# Altium PCB yard-ice.PcbDoc (part 1 of 3)
Units mm, origin at the board's own origin, x right, y up, seen from the top; angles counter-clockwise.
Board outline 109.14 x 69.34 mm, 2 copper layers (Top Layer, Bottom Layer), stack 1.611 mm thick; 175 components, 162 nets, 702 pads, 445 vias.
Unrouted connection lines stored in the file: 1.
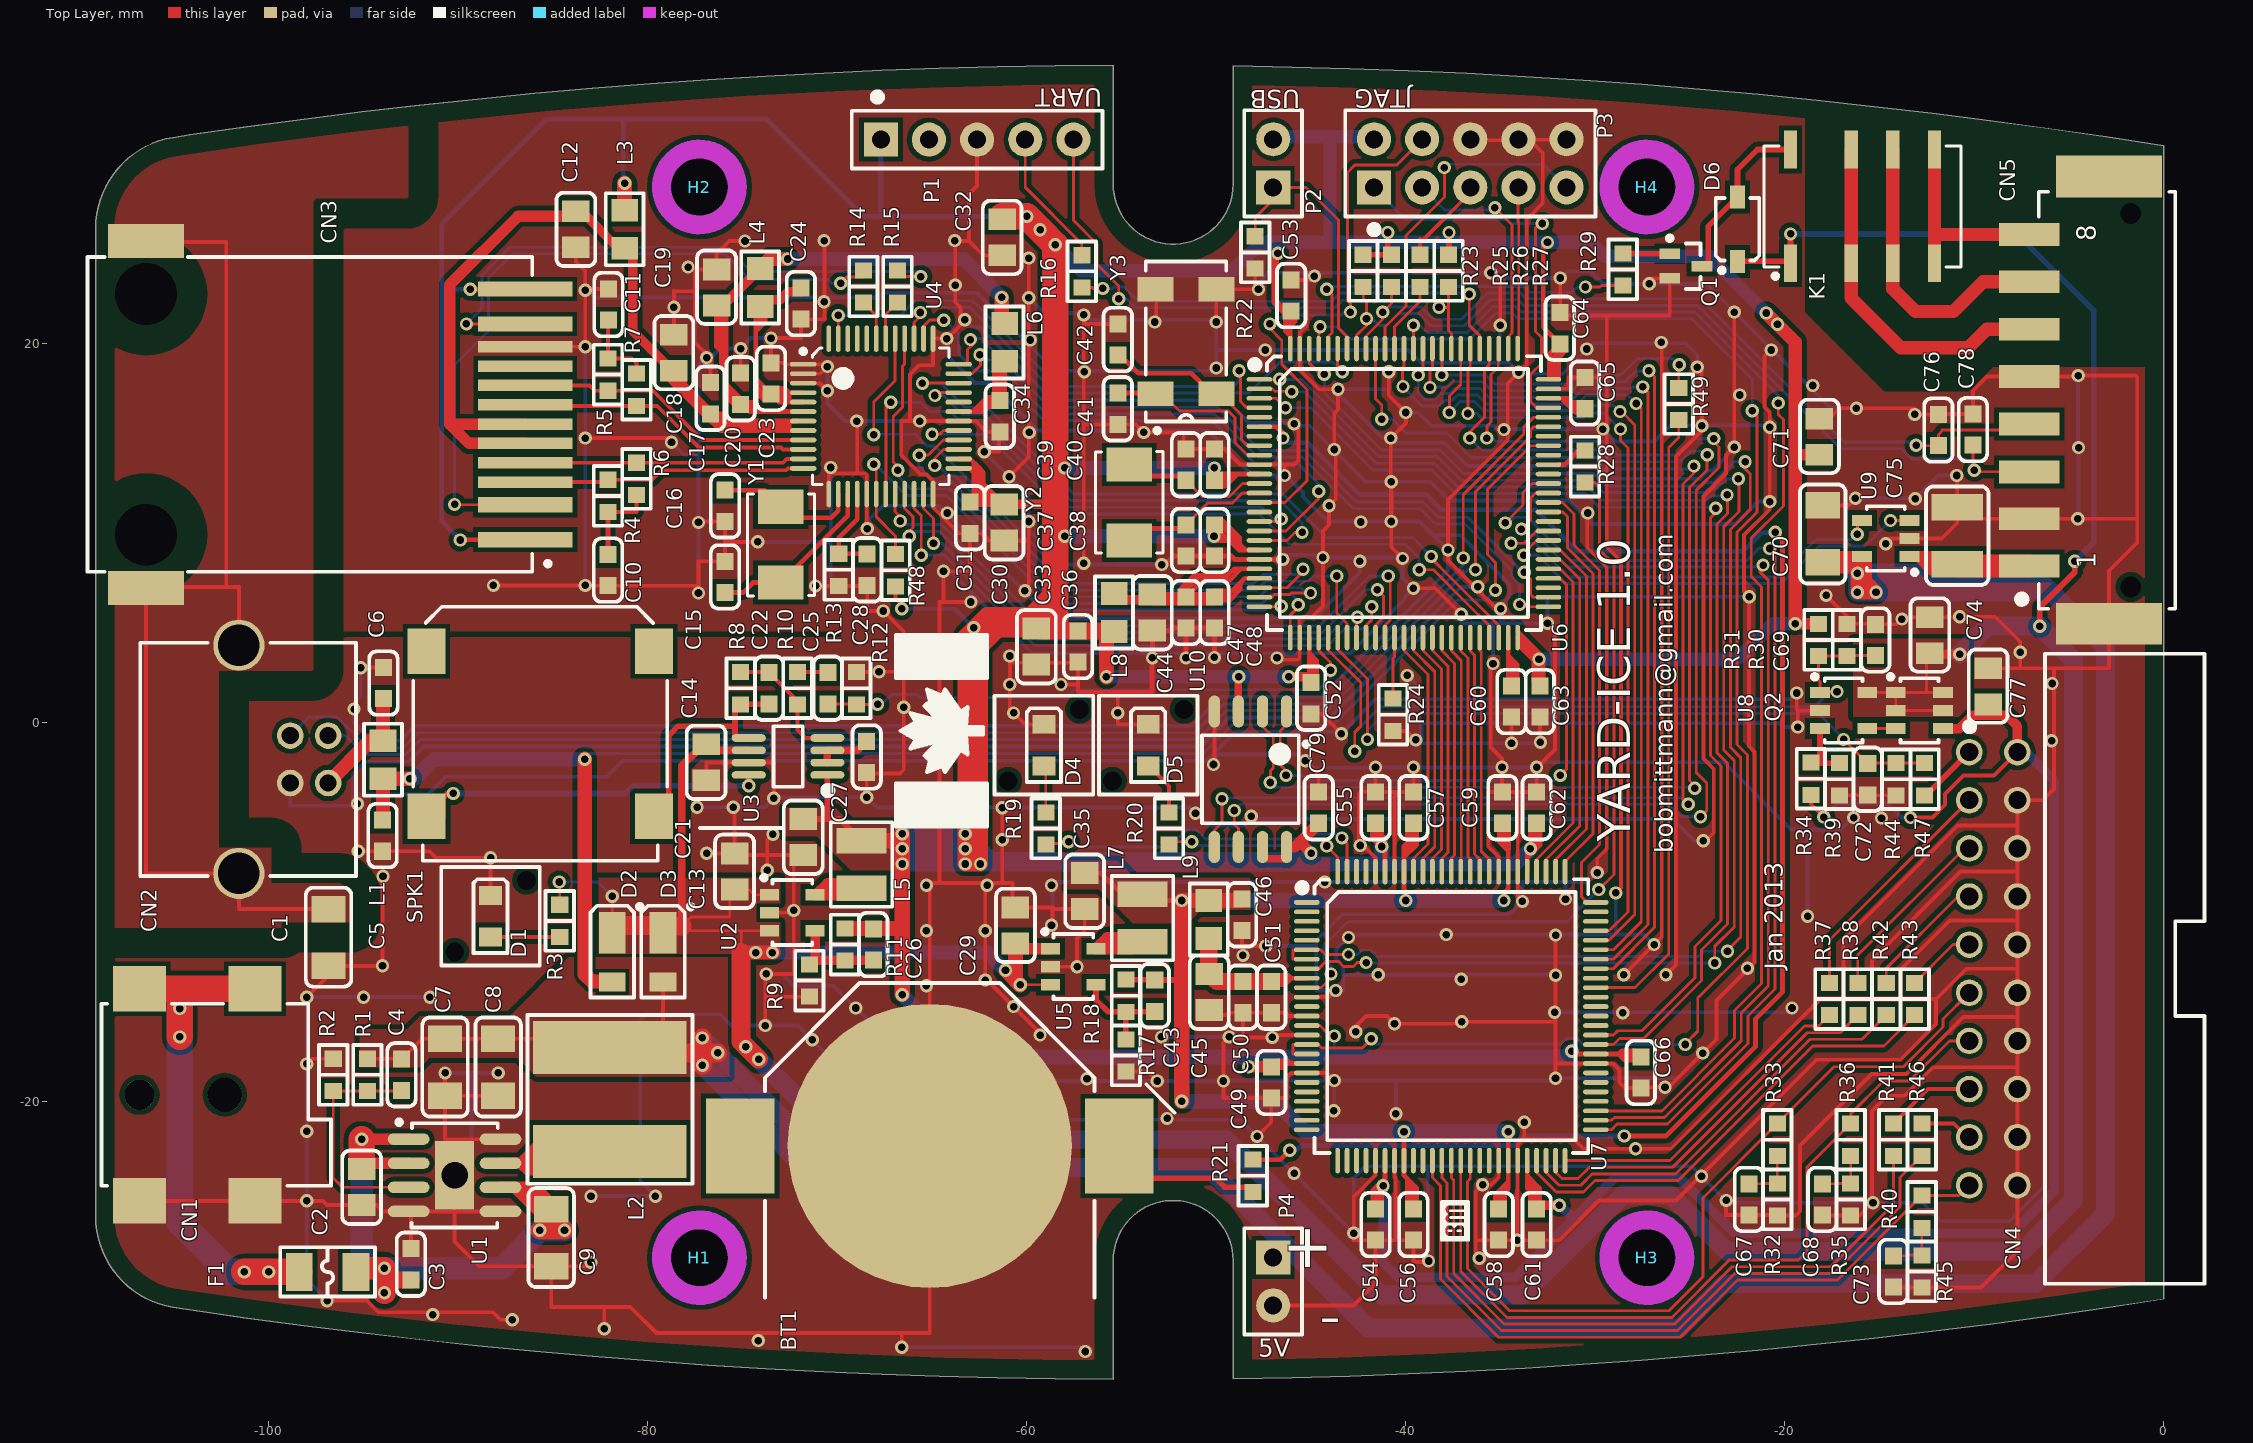
[diagram p0: Top Layer view]
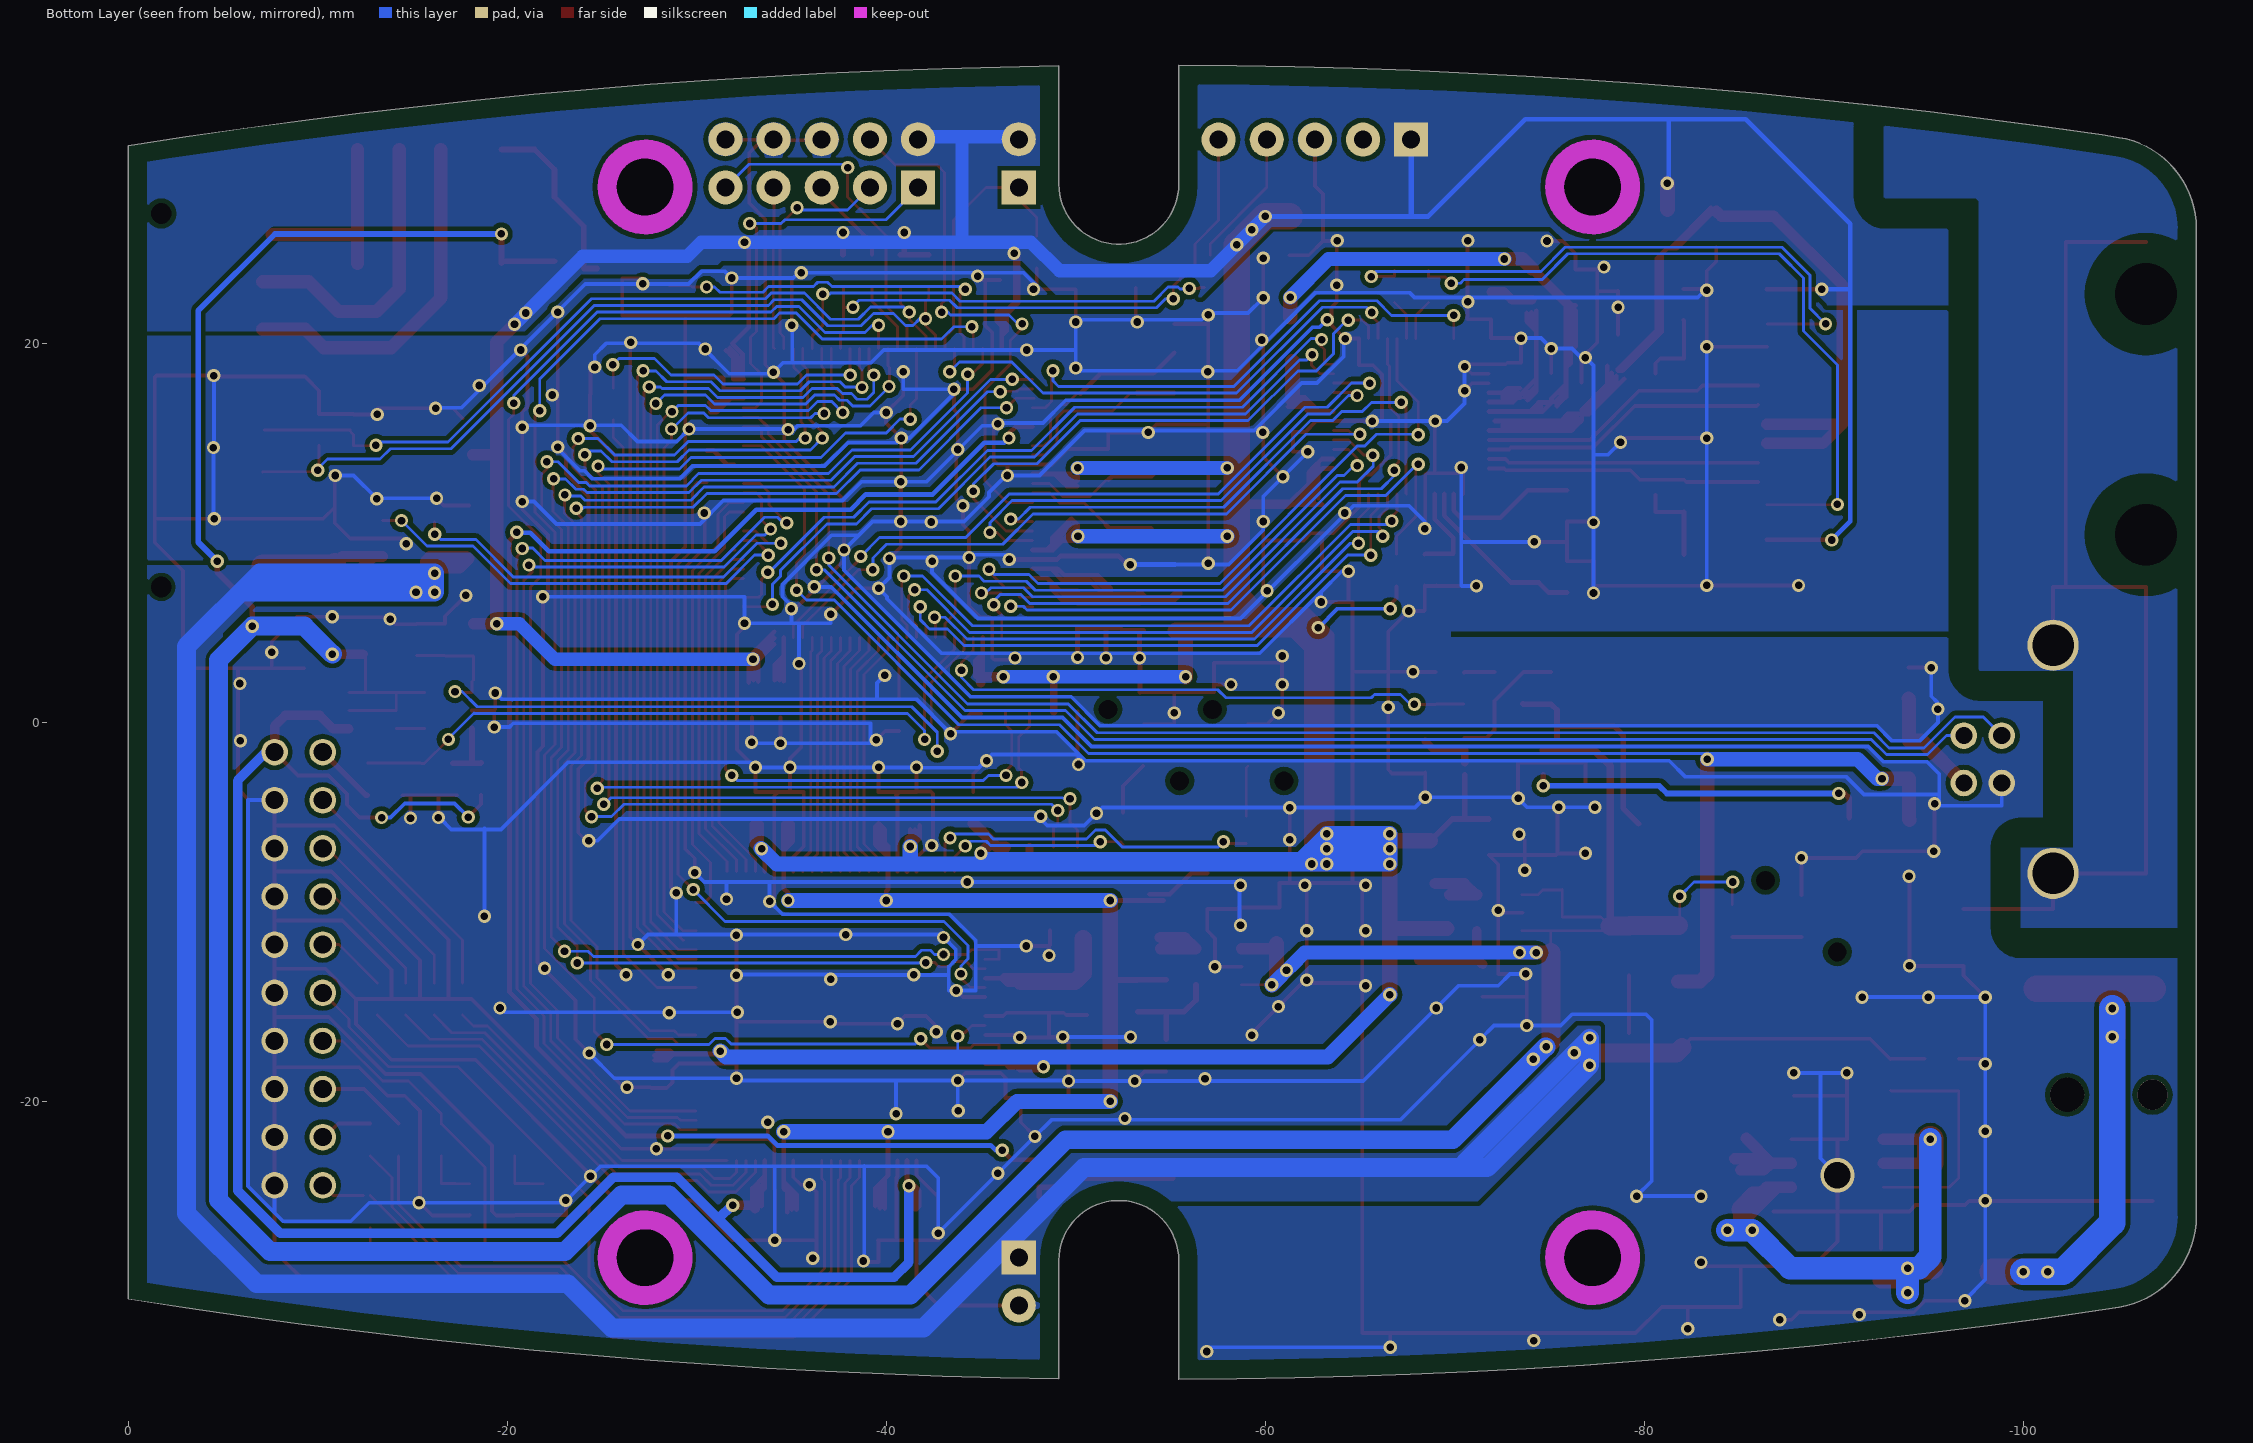
[diagram p1: Bottom Layer view, seen from below]

## Layer stack, top to bottom
Top Layer: signal copper 0.0356
Dielectric: core 1.54, FR-4, Dk 4.8
Bottom Layer: signal copper 0.0356

## Board outline
-105.054,-30.861 -104.179,-31.003 ccw(c-53.972,310.732) -55.44,-34.668 -55.44,-28.392 cw(c-52.278,-28.392) -49.115,-28.392 -49.115,-34.637 ccw(c-53.972,310.732) 0,-30.429 0,30.429 ccw(c-53.972,-310.732) -49.115,34.637 -49.115,28.392 cw(c-52.278,28.392) -55.44,28.392 -55.44,34.668 ccw(c-53.972,-310.732) -104.179,31.003 -105.054,30.861 ccw(c-104.278,26.063) -109.138,26.063 -109.138,-26.063 ccw(c-104.278,-26.063)

## Design rules (kind name [scope] priority, off if disabled: settings)
Clearance Clearance_2 [InNamedPolygon('Top-Layer-GND_EARTH') OR InNamedPolygon('Bottom-Layer-GND_EARTH')] p1: gap=1.6
Clearance Clearance_4 [InNamedPolygon('Top-Layer-GND') OR  InNamedPolygon('Bottom-Layer-GND') OR InNamedPolygon('Bottom-Layer-VCC_3.3')] p2: gap=0.25
Clearance Clearance_1 [InNet('RLY_C') OR InNet('RLY_NC') OR InNet('RLY_NO')] p3: gap=1.2
Clearance [All] p4: gap=0.2
ComponentClearance [All] p1: gap=0 collisioncheckmode=3 verticalgap=0 showdistances=FALSE
HoleSize [All] p1: absolutevalues=TRUE maxlimit=8 minlimit=0.025 maxpercent=80.000 minpercent=20.000
HoleToHoleClearance [All] p1: gap=0.2 allowstackedmicrovias=TRUE
MinimumSolderMaskSliver [All] p1: minsoldermaskwidth=0.1
PlaneConnect PlaneConnect_Via [IsVia] p1: planeconnectstyle=Direct reliefexpansion=0.508 reliefentries=4 reliefconductorwidth=0.254 reliefairgap=0.254
PlaneConnect [All] p2: planeconnectstyle=Relief reliefexpansion=0.508 reliefentries=4 reliefconductorwidth=0.254 reliefairgap=0.254
PolygonConnect PolygonConnect_Via [IsVia] p1: connectstyle=Direct reliefconductorwidth=0.254 reliefentries=4 polygonreliefangle="90 Angle" airgapwidth=0.254
PolygonConnect [All] p2: connectstyle=Direct reliefconductorwidth=0.25 reliefentries=4 polygonreliefangle="90 Angle" airgapwidth=0.254
RoomDefinition yard-ice-toplevel [InComponentClass('yard-ice-toplevel')] p1: confinementstyle=ConfineIn formatcopy=TRUE lockcomponents=FALSE outline -111.913,-30.812 1.262,-30.812 1.262,33.413 -111.913,33.413
RoomDefinition Power [InComponentClass('Power')] p2: confinementstyle=ConfineIn formatcopy=TRUE lockcomponents=FALSE outline -112.388,-33.762 -8.138,-33.762 -8.138,6.663 -112.388,6.663
RoomDefinition FPGA [InComponentClass('FPGA')] p3: confinementstyle=ConfineIn formatcopy=TRUE lockcomponents=FALSE outline -61.813,-30.762 2.262,-30.762 2.262,18.488 -61.813,18.488
RoomDefinition Ethernet [InComponentClass('Ethernet')] p4: confinementstyle=ConfineIn formatcopy=TRUE lockcomponents=FALSE outline -111.813,5.888 -59.888,5.888 -59.888,28.063 -111.813,28.063
RoomDefinition CPU [InComponentClass('CPU')] p5: confinementstyle=ConfineIn formatcopy=TRUE lockcomponents=FALSE outline -77.188,-30.512 -17.038,-30.512 -17.038,32.413 -77.188,32.413
RoutingVias [All] p1: holewidth=0.4 width=0.7 viastyle="Through Hole" minholewidth=0.4 minwidth=0.7 maxholewidth=1.6 maxwidth=2
SilkToSilkClearance [All] p1: silktosilkclearance=0
SilkscreenOverComponentPads [All] p1: minsilkscreentomaskgap=0.2
SolderMaskExpansion [All] p1: expansion=0.102
Width [All] p1: maxlimit=4 minlimit=0.15 preferedwidth=0.2
21 further rules are at their usual default settings.

## Classes and differential pairs
component class yard-ice-toplevel: C5 C6 C14 C22 C25 C27 C70 C75 C76 C78 C79 CN2 CN5 D6 H1 H2 H3 H4 K1 L1 P1 P3 Q1 R8 R10 R12 R16 R23 R25 R26 R27 R29 SPK1 U3 U9 U10
component class Power: C1 C2 C3 C4 C7 C8 C9 C13 C21 C26 C29 C35 C43 C69 C74 C77 CN1 D1 D2 D3 F1 L2 L5 L7 P4 Q2 R1 R2 R3 R9 R11 R17 R18 R30 R31 R34 R39 U1 U2 U5 U8
component class Ethernet: C10 C11 C12 C15 C16 C17 C18 C19 C20 C23 C24 C28 C30 C31 C34 CN3 L3 L4 L6 R4 R5 R6 R7 R13 R14 R15 U4 Y1
component class CPU: BT1 C32 C33 C36 C37 C38 C39 C40 C41 C42 C44 C47 C48 C52 C53 C60 C63 C64 C65 C71 L8 P2 R21 R22 R24 R48 U6 Y2 Y3
component class FPGA: C45 C46 C49 C50 C51 C54 C55 C56 C57 C58 C59 C61 C62 C66 C67 C68 C72 C73 CN4 D4 D5 L9 R19 R20 R28 R32 R33 R35 R36 R37 R38 R40 R41 R42 R43 R44 R45 R46 R47 R49 U7
net class POWER: FB1 FB2 GND LX1 LX2 VCC_1.5 VCC_3.3 VCC_4.7

## Components (designator, comment, footprint, x,y, rotation, side; value= is the part's Value field where it differs from the comment)
BT1 "000273" 3012TR -65.125,-22.35 r180 top locked
C1 "000463" C1206M -96.85,-11.35 r270 top locked
C2 "000506" C0805M -95.1,-24.525 r270 top locked
C3 "000500" C0603M -92.5,-28.6 r90 top locked
C4 "000288" C0603M -93,-18.6 r270 top locked
C5 "000500" C0603M -94,-5.975 r270 top locked
C6 "000500" C0603M -93.95,2.075 r90 top locked
C7 "000503" C1206M -90.7,-18.2 r270 top locked
C8 "000503" C1206M -87.9,-18.2 r270 top locked
C9 "000503" C1206M -85.1,-27.2 r270 top locked
C10 "000500" C0603M -82.1,8.037 r270 top locked
C11 "000500" C0603M -82.075,22.05 r90 top locked
C12 "000510" C0805M -83.8,26.025 r270 top locked
C13 "000510" C0805M -75.425,-7.875 r90 top locked
C14 "000510" C0805M -76.925,-2.1 r270 top locked
C15 "000515" C0603M -75.925,7.675 r270 top locked
C16 "000515" C0603M -75.925,11.425 r90 top locked
C17 "000500" C0603M -76.7,17.1 r90 top locked
C18 "000510" C0805M -78.625,19.5 r90 top locked
C19 "000510" C0805M -76.375,22.95 r90 top locked
C20 "000500" C0603M -75.1,17.6 r90 top locked
C21 "000510" C0805M -71.8,-6.05 r270 top locked
C22 "?" C0603M -73.6,1.8 r270 top locked
C23 "000500" C0603M -73.5,18.15 r90 top locked
C24 "000500" C0603M -71.925,22.1 r270 top locked
C25 "000071" C0603M -70.5,1.8 r90 top locked
C26 "000486" C0603M -68.1,-11.725 r270 top locked
C27 "000071" C0603M -68.45,-1.825 r270 top locked
C28 "000288" C0603M -68.425,8.05 r270 top locked
C29 "000510" C0805M -60.6,-10.725 r90 top locked
C30 "000510" C0805M -61.2,10.55 r270 top locked
C31 "000500" C0603M -63,10.8 r270 top locked
C32 "000510" C0805M -61.3,25.6 r270 top locked
C33 "000510" C0805M -59.5,4 r270 top locked
C34 "000500" C0603M -61.425,16.15 r270 top locked
C35 "000510" C0805M -56.95,-8.9 r270 top locked
C36 "000500" C0603M -57.3,4 r270 top locked
C37 "000515" C0603M -51.6,9.6 r90 top locked
C38 "000500" C0603M -50.1,9.6 r270 top locked
C39 "000515" C0603M -51.6,13.6 r270 top locked
C40 "000500" C0603M -50.1,13.6 r90 top locked
C41 "000507" C0603M -55.2,16.55 r90 top locked
C42 "000507" C0603M -55.2,20.2 r270 top locked
C43 "000486" C0603M -53.25,-14.425 r270 top locked
C44 "000510" C0805M -53.375,5.8 r270 top locked
C45 "000510" C0805M -50.375,-14.225 r270 top locked
C46 "000500" C0603M -48.65,-10.15 r270 top locked
C47 "000500" C0603M -51.6,5.8 r270 top locked
C48 "000500" C0603M -50.1,5.8 r270 top locked
C49 "000500" C0603M -47.1,-19 r270 top locked
C50 "000500" C0603M -48.6,-14.5 r270 top locked
C51 "000010" C0603M -47.1,-14.5 r270 top locked
C52 "000500" C0603M -45,1.275 r270 top locked
C53 "000500" C0603M -46.05,22.525 r90 top locked
C54 "000500" C0603M -41.6,-26.5 r270 top locked
C55 "000500" C0603M -41.6,-4.5 r90 top locked
C56 "000500" C0603M -39.6,-26.5 r270 top locked
C57 "000500" C0603M -39.6,-4.5 r90 top locked
C58 "000500" C0603M -35.1,-26.5 r270 top locked
C59 "000500" C0603M -34.9,-4.5 r90 top locked
C60 "000071" C0603M -34.425,1.1 r270 top locked
C61 "000500" C0603M -33.1,-26.5 r270 top locked
C62 "000500" C0603M -33.1,-4.5 r90 top locked
C63 "000500" C0603M -32.925,1.1 r270 top locked
C64 "000500" C0603M -31.875,20.8 r90 top locked
C65 "000071" C0603M -30.55,17.375 r90 top locked
C66 "000500" C0603M -27.6,-18.475 r270 top locked
C67 "000288" C0603M -21.9,-25.175 r270 top locked
C68 "000288" C0603M -18.025,-25.175 r270 top locked
C69 "000288" C0603M -15.225,4.35 r90 top locked
C70 "000503" C1206M -18,9.95 r90 top locked
C71 "000510" C0805M -18.175,15.075 r90 top locked
C72 "000500" C0603M -15.625,-3 r270 top locked
C73 "000288" C0603M -14.275,-28.975 r270 top locked
C74 "000510" C0805M -12.35,4.6 r90 top locked
C75 "000517" C1210M -10.9,9.85 r90 top locked
C76 "000288" C0603M -11.9,15.425 r90 top locked
C77 "000510" C0805M -9.275,1.9 r90 top locked
C78 "000288" C0603M -10.075,15.45 r90 top locked
C79 "000500" C0603M -44.6,-4.5 r90 top locked
CN1 "PTH" PJ-002A-SMT -111.825,-19.65 r0 top locked
CN2 "000000" 4-1734376 -99.225,-1.95 r270 top locked
CN3 "000505" MOD-J3 -106.475,16.25 r270 top locked
CN4 "000514" TST-110-04-G-D-RA -9,-13 r0 top locked
CN5 "000424" 1778829 -5.5,17 r90 top locked
D1 "000428" "LED0805L LP" -88.3,-10.225 r270 top locked
D2 "000327" "PowerDI 123" -81.875,-12.1 r270 top locked
D3 "000327" "PowerDI 123" -79.2,-12.1 r270 top locked
D4 "000520" "LED0805L LP" -59.1,-1.2 r270 top locked
D5 "000527" "LED0805L LP" -53.6,-1.2 r270 top locked
D6 "000322" SOD-123 -22.5,26.025 r90 top locked
F1 "000178" F1206L -96.9,-29 r0 top locked
H1 "Hole Non Plated" "Hole NP 3.2x5.0x5.0" -77.28,-28.25 r0 top locked
H2 "Hole Non Plated" "Hole NP 3.2x5.0x5.0" -77.28,28.25 r0 top locked
H3 "Hole Non Plated" "Hole NP 3.2x5.0x5.0" -27.28,-28.25 r0 top locked
H4 "Hole Non Plated" "Hole NP 3.2x5.0x5.0" -27.28,28.25 r0 top locked
K1 "000504" Relay-10X6 -15.9,27.225 r270 top locked
L1 "000508" L0805M -93.975,-1.975 r270 top locked
L2 "000431" L8.0MMX8.0MM -82,-19.9 r90 top locked
L3 "000508" L0805M -81.225,26.025 r270 top locked
L4 "000508" L0805M -74.075,22.95 r90 top locked
L5 "000314" L1210M -68.725,-7.5 r90 top locked
L6 "000508" L0805M -61.175,20.05 r90 top locked
L7 "000314" L1210M -53.9,-10.325 r90 top locked
L8 "000508" L0805M -55.4,5.8 r90 top locked
L9 "000508" L0805M -50.4,-10.4 r270 top locked
P1 "000000" TSW-105-07-G-S -62.625,30.75 r0 top locked
P2 "000PTH" TSW-102-07-G-S -47,29.5 r90 top locked
P3 "000000" TSW-105-07-G-D -36.6,29.5 r90 top locked
P4 "PTH" TSW-102-07-G-S -47,-29.5 r270 top locked
Q1 "000022" SOT-323 -25.225,24.075 r0 top locked
Q2 "000000" SOT-26 -12.9,0.625 r0 top locked
R1 "000162" R0603M -94.8,-18.6 r90 top locked
R2 "000145" R0603M -96.6,-18.6 r270 top locked
R3 "000299" R0603M -84.65,-10.475 r90 top locked
R4 "000095" R0603M -82.1,11.95 r90 top locked
R5 "000095" R0603M -82.1,18.35 r270 top locked
R6 "000095" R0603M -80.6,12.85 r90 top locked
R7 "000095" R0603M -80.6,17.55 r270 top locked
R8 "000300" R0603M -75.1,1.8 r90 top locked
R9 "000443" R0603M -71.475,-13.625 r90 top locked
R10 "000300" R0603M -72.1,1.8 r90 top locked
R11 "000511" R0603M -69.6,-11.725 r90 top locked
R12 "000300" R0603M -69,1.8 r270 top locked
R13 "000096" R0603M -69.925,8.05 r90 top locked
R14 "000101" R0603M -68.625,23 r270 top locked
R15 "000101" R0603M -66.825,23 r270 top locked
R16 "000134" R0603M -57.1,23.8 r90 top locked
R17 "000388" R0603M -54.775,-17.575 r90 top locked
R18 "000512" R0603M -54.775,-14.425 r90 top locked
R19 "000181" R0603M -59,-5.6 r90 top locked
R20 "000181" R0603M -52.5,-5.6 r90 top locked
R21 "000448" R0603M -48.075,-23.925 r90 top locked
R22 "000043" R0603M -47.95,24.8 r90 top locked
R23 "000134" R0603M -42.25,23.825 r90 top locked
R24 "000043" R0603M -40.675,0.4 r90 top locked
R25 "000134" R0603M -40.75,23.825 r90 top locked
R26 "000132" R0603M -39.25,23.825 r270 top locked
R27 "000058" R0603M -37.75,23.825 r90 top locked
R28 "000501" R0603M -30.55,13.5 r90 top locked
R29 "000043" R0603M -28.55,23.9 r270 top locked
R30 "000145" R0603M -16.725,4.35 r270 top locked
R31 "000145" R0603M -18.225,4.35 r90 top locked
R32 "000145" R0603M -20.4,-25.175 r270 top locked
R33 "000132" R0603M -20.4,-22.025 r270 top locked
R34 "000509" R0603M -18.625,-2.975 r90 top locked
R35 "000145" R0603M -16.525,-25.175 r270 top locked
R36 "000132" R0603M -16.525,-22.025 r270 top locked
R37 "000304" R0603M -17.65,-14.6 r270 top locked
R38 "000132" R0603M -16.15,-14.6 r270 top locked
R39 "000509" R0603M -17.125,-3 r90 top locked
R40 "000132" R0603M -12.775,-25.825 r270 top locked
R41 "000304" R0603M -14.275,-22.025 r270 top locked
R42 "000132" R0603M -14.65,-14.6 r270 top locked
R43 "000132" R0603M -13.15,-14.6 r270 top locked
R44 "000300" R0603M -14.125,-3 r270 top locked
R45 "000145" R0603M -12.775,-28.975 r270 top locked
R46 "000132" R0603M -12.775,-22.025 r270 top locked
R47 "000300" R0603M -12.625,-3 r90 top locked
R48 "?" R0603M -66.925,8.025 r270 top locked
R49 "000501" R0603M -25.6,16.8 r90 top locked
SPK1 "000513" SMS-1308MS-R -85.675,-0.6 r0 top locked
U1 "000461" PowerSO-8 -90.2,-23.9 r0 top locked
U2 "000298" TSOP-5 -72.375,-10.05 r0 top locked
U3 "000519" MiniSO-8M -72.6,-1.8 r180 top locked
U4 "000516" 48-TQFP -67.7,16.15 r0 top locked
U5 "000298" TSOP-5 -57.55,-12.9 r0 top locked
U6 "000000" LQFP100 -40.1,12.1 r0 top locked
U7 "000518" TQFP-100 -37.6,-15.5 r0 top locked
U8 "000459" SOT-25 -16.9,0.625 r0 top locked
U9 "000475" SOT-25 -14.675,9.7 r180 top locked
U10 "000000" SOP2-8 -48.2,-3 r270 top locked
Y1 "000522" ABM3-H -72.975,9.375 r90 top locked
Y2 "00000" ABM3-H -54.6,11.6 r270 top locked
Y3 "000502" ABS25 -51.6,20.1 r90 top locked
